# KiCad board SparkFun_IoT_RedBoard-RP2350_panelized.kicad_pcb (continued)
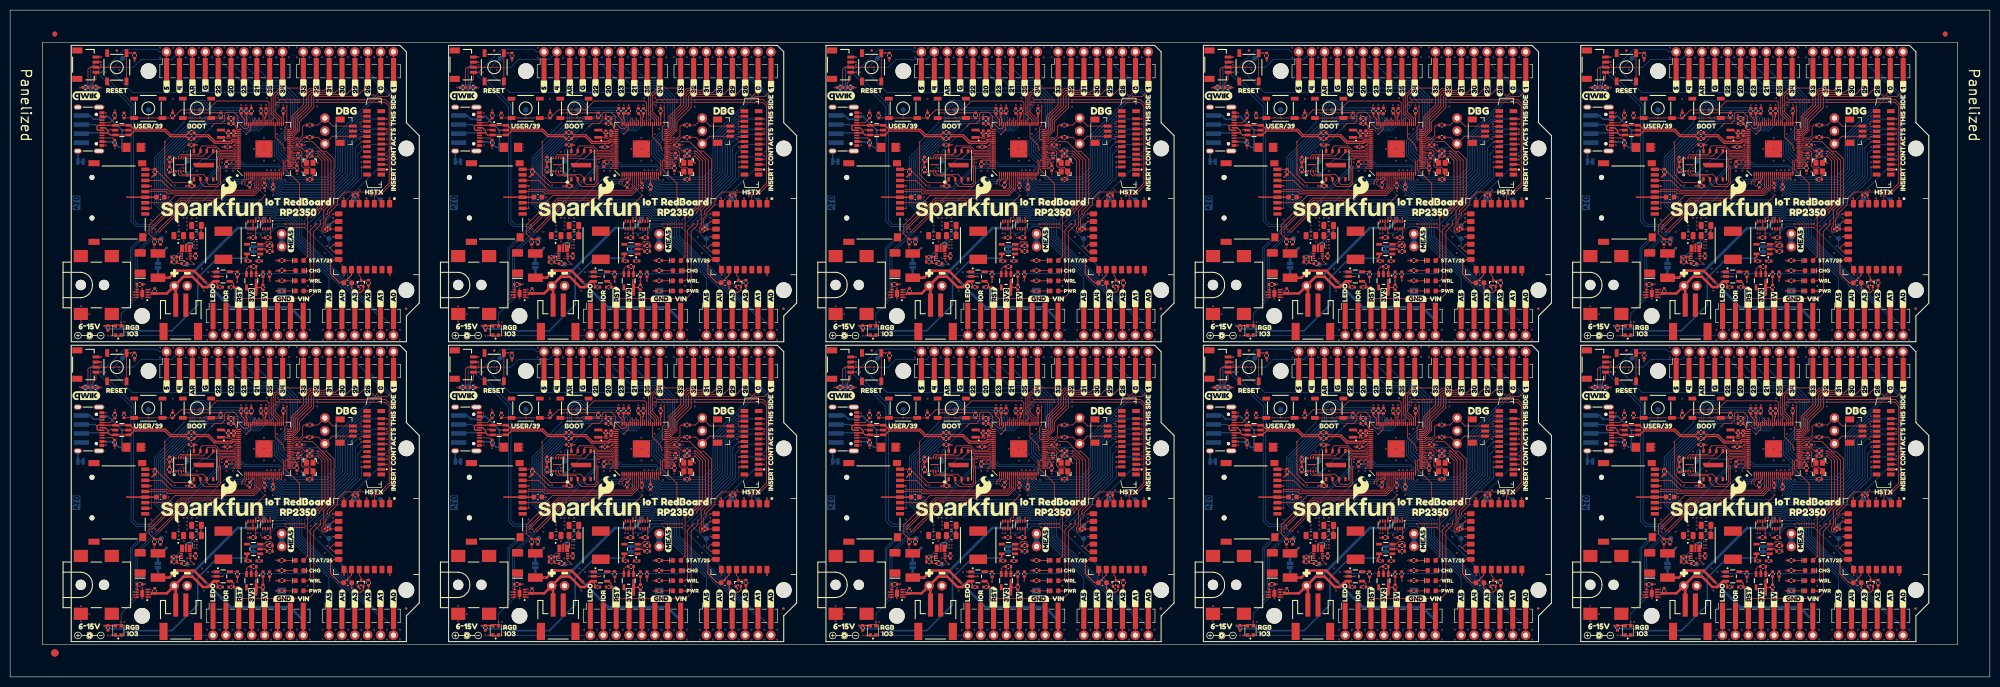
[diagram p0: board, top side]
## Nets (continued)
/A2: H1.A2 H1#2.A2 H1#3.A2 H1#4.A2 H1#5.A2 H1#6.A2 H1#7.A2 H1#8.A2 H1#9.A2 H1#10.A2 J2.4 J2#2.4 J2#3.4 J2#4.4 J2#5.4 J2#6.4 J2#7.4 J2#8.4 J2#9.4 J2#10.4 U1.53 U1#2.53 U1#3.53 U1#4.53 U1#5.53 U1#6.53 U1#7.53 U1#8.53 U1#9.53 U1#10.53
/A3: H1.A3 H1#2.A3 H1#3.A3 H1#4.A3 H1#5.A3 H1#6.A3 H1#7.A3 H1#8.A3 H1#9.A3 H1#10.A3 J2.3 J2#2.3 J2#3.3 J2#4.3 J2#5.3 J2#6.3 J2#7.3 J2#8.3 J2#9.3 J2#10.3 U1.54 U1#2.54 U1#3.54 U1#4.54 U1#5.54 U1#6.54 U1#7.54 U1#8.54 U1#9.54 U1#10.54
/A4: H1.A4 H1#2.A4 H1#3.A4 H1#4.A4 H1#5.A4 H1#6.A4 H1#7.A4 H1#8.A4 H1#9.A4 H1#10.A4 J2.2 J2#2.2 J2#3.2 J2#4.2 J2#5.2 J2#6.2 J2#7.2 J2#8.2 J2#9.2 J2#10.2 U1.55 U1#2.55 U1#3.55 U1#4.55 U1#5.55 U1#6.55 U1#7.55 U1#8.55 U1#9.55 U1#10.55
/A5: H1.A5 H1#2.A5 H1#3.A5 H1#4.A5 H1#5.A5 H1#6.A5 H1#7.A5 H1#8.A5 H1#9.A5 H1#10.A5 J2.1 J2#2.1 J2#3.1 J2#4.1 J2#5.1 J2#6.1 J2#7.1 J2#8.1 J2#9.1 J2#10.1 U1.56 U1#2.56 U1#3.56 U1#4.56 U1#5.56 U1#6.56 U1#7.56 U1#8.56 U1#9.56 U1#10.56
/Core/BATT_PWR: Q1.1 Q1#2.1 Q1#3.1 Q1#4.1 Q1#5.1 Q1#6.1 Q1#7.1 Q1#8.1 Q1#9.1 Q1#10.1 R21.1 R21#2.1 R21#3.1 R21#4.1 R21#5.1 R21#6.1 R21#7.1 R21#8.1 R21#9.1 R21#10.1 U1.28 U1#2.28 U1#3.28 U1#4.28 U1#5.28 U1#6.28 U1#7.28 U1#8.28 U1#9.28 U1#10.28 U7.8 U7#2.8 U7#3.8 U7#4.8 U7#5.8 U7#6.8 U7#7.8 U7#8.8 U7#9.8 U7#10.8
/Core/FLASH_~{CS}: R9.1 R9#2.1 R9#3.1 R9#4.1 R9#5.1 R9#6.1 R9#7.1 R9#8.1 R9#9.1 R9#10.1 R16.1 R16#2.1 R16#3.1 R16#4.1 R16#5.1 R16#6.1 R16#7.1 R16#8.1 R16#9.1 R16#10.1 TP6.1 TP6#2.1 TP6#3.1 TP6#4.1 TP6#5.1 TP6#6.1 TP6#7.1 TP6#8.1 TP6#9.1 TP6#10.1 U1.75 U1#2.75 U1#3.75 U1#4.75 U1#5.75 U1#6.75 U1#7.75 U1#8.75 U1#9.75 U1#10.75 U3.1 U3#2.1 U3#3.1 U3#4.1 U3#5.1 U3#6.1 U3#7.1 U3#8.1 U3#9.1 U3#10.1
/Core/IO8_POCI: J14.7 J14#2.7 J14#3.7 J14#4.7 J14#5.7 J14#6.7 J14#7.7 J14#8.7 J14#9.7 J14#10.7 U1.6 U1#2.6 U1#3.6 U1#4.6 U1#5.6 U1#6.6 U1#7.6 U1#8.6 U1#9.6 U1#10.6
/Core/IO9_~{CS}: J14.2 J14#2.2 J14#3.2 J14#4.2 J14#5.2 J14#6.2 J14#7.2 J14#8.2 J14#9.2 J14#10.2 U1.7 U1#2.7 U1#3.7 U1#4.7 U1#5.7 U1#6.7 U1#7.7 U1#8.7 U1#9.7 U1#10.7
/Core/IO10_SCK: J14.5 J14#2.5 J14#3.5 J14#4.5 J14#5.5 J14#6.5 J14#7.5 J14#8.5 J14#9.5 J14#10.5 U1.8 U1#2.8 U1#3.8 U1#4.8 U1#5.8 U1#6.8 U1#7.8 U1#8.8 U1#9.8 U1#10.8
/Core/IO11_PICO: J14.3 J14#2.3 J14#3.3 J14#4.3 J14#5.3 J14#6.3 J14#7.3 J14#8.3 J14#9.3 J14#10.3 U1.9 U1#2.9 U1#3.9 U1#4.9 U1#5.9 U1#6.9 U1#7.9 U1#8.9 U1#9.9 U1#10.9
/Core/IO12_HSTX0: J11.11 J11#2.11 J11#3.11 J11#4.11 J11#5.11 J11#6.11 J11#7.11 J11#8.11 J11#9.11 J11#10.11 U1.11 U1#2.11 U1#3.11 U1#4.11 U1#5.11 U1#6.11 U1#7.11 U1#8.11 U1#9.11 U1#10.11
/Core/IO13_HSTX1: J11.12 J11#2.12 J11#3.12 J11#4.12 J11#5.12 J11#6.12 J11#7.12 J11#8.12 J11#9.12 J11#10.12 U1.12 U1#2.12 U1#3.12 U1#4.12 U1#5.12 U1#6.12 U1#7.12 U1#8.12 U1#9.12 U1#10.12
/Core/IO14_HSTX2: J11.14 J11#2.14 J11#3.14 J11#4.14 J11#5.14 J11#6.14 J11#7.14 J11#8.14 J11#9.14 J11#10.14 U1.13 U1#2.13 U1#3.13 U1#4.13 U1#5.13 U1#6.13 U1#7.13 U1#8.13 U1#9.13 U1#10.13
/Core/IO15_HSTX3: J11.15 J11#2.15 J11#3.15 J11#4.15 J11#5.15 J11#6.15 J11#7.15 J11#8.15 J11#9.15 J11#10.15 U1.14 U1#2.14 U1#3.14 U1#4.14 U1#5.14 U1#6.14 U1#7.14 U1#8.14 U1#9.14 U1#10.14
/Core/IO16_HSTX4: J11.17 J11#2.17 J11#3.17 J11#4.17 J11#5.17 J11#6.17 J11#7.17 J11#8.17 J11#9.17 J11#10.17 U1.16 U1#2.16 U1#3.16 U1#4.16 U1#5.16 U1#6.16 U1#7.16 U1#8.16 U1#9.16 U1#10.16
/Core/IO17_HSTX5: J11.18 J11#2.18 J11#3.18 J11#4.18 J11#5.18 J11#6.18 J11#7.18 J11#8.18 J11#9.18 J11#10.18 U1.17 U1#2.17 U1#3.17 U1#4.17 U1#5.17 U1#6.17 U1#7.17 U1#8.17 U1#9.17 U1#10.17
/Core/IO18_HSTX6: J11.20 J11#2.20 J11#3.20 J11#4.20 J11#5.20 J11#6.20 J11#7.20 J11#8.20 J11#9.20 J11#10.20 U1.18 U1#2.18 U1#3.18 U1#4.18 U1#5.18 U1#6.18 U1#7.18 U1#8.18 U1#9.18 U1#10.18
/Core/IO19_HSTX7: J11.21 J11#2.21 J11#3.21 J11#4.21 J11#5.21 J11#6.21 J11#7.21 J11#8.21 J11#9.21 J11#10.21 U1.19 U1#2.19 U1#3.19 U1#4.19 U1#5.19 U1#6.19 U1#7.19 U1#8.19 U1#9.19 U1#10.19
/Core/PERI_POW: R24.2 R24#2.2 R24#3.2 R24#4.2 R24#5.2 R24#6.2 R24#7.2 R24#8.2 R24#9.2 R24#10.2 R25.2 R25#2.2 R25#3.2 R25#4.2 R25#5.2 R25#6.2 R25#7.2 R25#8.2 R25#9.2 R25#10.2 U1.4 U1#2.4 U1#3.4 U1#4.4 U1#5.4 U1#6.4 U1#7.4 U1#8.4 U1#9.4 U1#10.4 U10.3 U10#2.3 U10#3.3 U10#4.3 U10#5.3 U10#6.3 U10#7.3 U10#8.3 U10#9.3 U10#10.3
/Core/PSRAM_~{CS}: R17.1 R17#2.1 R17#3.1 R17#4.1 R17#5.1 R17#6.1 R17#7.1 R17#8.1 R17#9.1 R17#10.1 TP7.1 TP7#2.1 TP7#3.1 TP7#4.1 TP7#5.1 TP7#6.1 TP7#7.1 TP7#8.1 TP7#9.1 TP7#10.1 U1.58 U1#2.58 U1#3.58 U1#4.58 U1#5.58 U1#6.58 U1#7.58 U1#8.58 U1#9.58 U1#10.58 U4.1 U4#2.1 U4#3.1 U4#4.1 U4#5.1 U4#6.1 U4#7.1 U4#8.1 U4#9.1 U4#10.1
/Core/QSPI_CLK: U1.71 U1#2.71 U1#3.71 U1#4.71 U1#5.71 U1#6.71 U1#7.71 U1#8.71 U1#9.71 U1#10.71 U3.6 U3#2.6 U3#3.6 U3#4.6 U3#5.6 U3#6.6 U3#7.6 U3#8.6 U3#9.6 U3#10.6 U4.6 U4#2.6 U4#3.6 U4#4.6 U4#5.6 U4#6.6 U4#7.6 U4#8.6 U4#9.6 U4#10.6
/Core/QSPI_D0: U1.72 U1#2.72 U1#3.72 U1#4.72 U1#5.72 U1#6.72 U1#7.72 U1#8.72 U1#9.72 U1#10.72 U3.5 U3#2.5 U3#3.5 U3#4.5 U3#5.5 U3#6.5 U3#7.5 U3#8.5 U3#9.5 U3#10.5 U4.5 U4#2.5 U4#3.5 U4#4.5 U4#5.5 U4#6.5 U4#7.5 U4#8.5 U4#9.5 U4#10.5
/Core/QSPI_D1: U1.74 U1#2.74 U1#3.74 U1#4.74 U1#5.74 U1#6.74 U1#7.74 U1#8.74 U1#9.74 U1#10.74 U3.2 U3#2.2 U3#3.2 U3#4.2 U3#5.2 U3#6.2 U3#7.2 U3#8.2 U3#9.2 U3#10.2 U4.2 U4#2.2 U4#3.2 U4#4.2 U4#5.2 U4#6.2 U4#7.2 U4#8.2 U4#9.2 U4#10.2
/Core/QSPI_D2: U1.73 U1#2.73 U1#3.73 U1#4.73 U1#5.73 U1#6.73 U1#7.73 U1#8.73 U1#9.73 U1#10.73 U3.3 U3#2.3 U3#3.3 U3#4.3 U3#5.3 U3#6.3 U3#7.3 U3#8.3 U3#9.3 U3#10.3 U4.3 U4#2.3 U4#3.3 U4#4.3 U4#5.3 U4#6.3 U4#7.3 U4#8.3 U4#9.3 U4#10.3
/Core/QSPI_D3: U1.70 U1#2.70 U1#3.70 U1#4.70 U1#5.70 U1#6.70 U1#7.70 U1#8.70 U1#9.70 U1#10.70 U3.7 U3#2.7 U3#3.7 U3#4.7 U3#5.7 U3#6.7 U3#7.7 U3#8.7 U3#9.7 U3#10.7 U4.7 U4#2.7 U4#3.7 U4#4.7 U4#5.7 U4#6.7 U4#7.7 U4#8.7 U4#9.7 U4#10.7
/Core/RGB_DIN: D4.3 D4#2.3 D4#3.3 D4#4.3 D4#5.3 D4#6.3 D4#7.3 D4#8.3 D4#9.3 D4#10.3 U1.80 U1#2.80 U1#3.80 U1#4.80 U1#5.80 U1#6.80 U1#7.80 U1#8.80 U1#9.80 U1#10.80
/Core/SW.CLK: J10.1 J10#2.1 J10#3.1 J10#4.1 J10#5.1 J10#6.1 J10#7.1 J10#8.1 J10#9.1 J10#10.1 J12.1 J12#2.1 J12#3.1 J12#4.1 J12#5.1 J12#6.1 J12#7.1 J12#8.1 J12#9.1 J12#10.1 R11.1 R11#2.1 R11#3.1 R11#4.1 R11#5.1 R11#6.1 R11#7.1 R11#8.1 R11#9.1 R11#10.1
/Core/SW.DIO: J10.3 J10#2.3 J10#3.3 J10#4.3 J10#5.3 J10#6.3 J10#7.3 J10#8.3 J10#9.3 J10#10.3 J12.3 J12#2.3 J12#3.3 J12#4.3 J12#5.3 J12#6.3 J12#7.3 J12#8.3 J12#9.3 J12#10.3 R12.1 R12#2.1 R12#3.1 R12#4.1 R12#5.1 R12#6.1 R12#7.1 R12#8.1 R12#9.1 R12#10.1
/Core/USB.D+: R3.2 R3#2.2 R3#3.2 R3#4.2 R3#5.2 R3#6.2 R3#7.2 R3#8.2 R3#9.2 R3#10.2 U1.67 U1#2.67 U1#3.67 U1#4.67 U1#5.67 U1#6.67 U1#7.67 U1#8.67 U1#9.67 U1#10.67
/Core/USB.D-: R4.2 R4#2.2 R4#3.2 R4#4.2 R4#5.2 R4#6.2 R4#7.2 R4#8.2 R4#9.2 R4#10.2 U1.66 U1#2.66 U1#3.66 U1#4.66 U1#5.66 U1#6.66 U1#7.66 U1#8.66 U1#9.66 U1#10.66
/Core/WRL_CLK: TP4.1 TP4#2.1 TP4#3.1 TP4#4.1 TP4#5.1 TP4#6.1 TP4#7.1 TP4#8.1 TP4#9.1 TP4#10.1 U1.46 U1#2.46 U1#3.46 U1#4.46 U1#5.46 U1#6.46 U1#7.46 U1#8.46 U1#9.46 U1#10.46 U2.A3 U2#2.A3 U2#3.A3 U2#4.A3 U2#5.A3 U2#6.A3 U2#7.A3 U2#8.A3 U2#9.A3 U2#10.A3
/Core/WRL_DAT: R13.2 R13#2.2 R13#3.2 R13#4.2 R13#5.2 R13#6.2 R13#7.2 R13#8.2 R13#9.2 R13#10.2 R14.2 R14#2.2 R14#3.2 R14#4.2 R14#5.2 R14#6.2 R14#7.2 R14#8.2 R14#9.2 R14#10.2 TP5.1 TP5#2.1 TP5#3.1 TP5#4.1 TP5#5.1 TP5#6.1 TP5#7.1 TP5#8.1 TP5#9.1 TP5#10.1 U1.47 U1#2.47 U1#3.47 U1#4.47 U1#5.47 U1#6.47 U1#7.47 U1#8.47 U1#9.47 U1#10.47 U2.A5 U2#2.A5 U2#3.A5 U2#4.A5 U2#5.A5 U2#6.A5 U2#7.A5 U2#8.A5 U2#9.A5 U2#10.A5
/Core/WRL_IO0: D5.2 D5#2.2 D5#3.2 D5#4.2 D5#5.2 D5#6.2 D5#7.2 D5#8.2 D5#9.2 D5#10.2 U2.B1 U2#2.B1 U2#3.B1 U2#4.B1 U2#5.B1 U2#6.B1 U2#7.B1 U2#8.B1 U2#9.B1 U2#10.B1
/Core/WRL_IO2: Q1.3 Q1#2.3 Q1#3.3 Q1#4.3 Q1#5.3 Q1#6.3 Q1#7.3 Q1#8.3 Q1#9.3 Q1#10.3 R15.2 R15#2.2 R15#3.2 R15#4.2 R15#5.2 R15#6.2 R15#7.2 R15#8.2 R15#9.2 R15#10.2 U2.C3 U2#2.C3 U2#3.C3 U2#4.C3 U2#5.C3 U2#6.C3 U2#7.C3 U2#8.C3 U2#9.C3 U2#10.C3
/Core/WRL_ON: TP2.1 TP2#2.1 TP2#3.1 TP2#4.1 TP2#5.1 TP2#6.1 TP2#7.1 TP2#8.1 TP2#9.1 TP2#10.1 U1.25 U1#2.25 U1#3.25 U1#4.25 U1#5.25 U1#6.25 U1#7.25 U1#8.25 U1#9.25 U1#10.25 U2.B5 U2.B6 U2#2.B5 U2#2.B6 U2#3.B5 U2#3.B6 U2#4.B5 U2#4.B6 U2#5.B5 U2#5.B6 U2#6.B5 U2#6.B6 U2#7.B5 U2#7.B6 U2#8.B5 U2#8.B6 U2#9.B5 U2#9.B6 U2#10.B5 U2#10.B6
/Core/WRL_~{CS}: TP3.1 TP3#2.1 TP3#3.1 TP3#4.1 TP3#5.1 TP3#6.1 TP3#7.1 TP3#8.1 TP3#9.1 TP3#10.1 U1.45 U1#2.45 U1#3.45 U1#4.45 U1#5.45 U1#6.45 U1#7.45 U1#8.45 U1#9.45 U1#10.45 U2.B2 U2#2.B2 U2#3.B2 U2#4.B2 U2#5.B2 U2#6.B2 U2#7.B2 U2#8.B2 U2#9.B2 U2#10.B2
/Core/~{BALRT}: R22.1 R22#2.1 R22#3.1 R22#4.1 R22#5.1 R22#6.1 R22#7.1 R22#8.1 R22#9.1 R22#10.1 U1.3 U1#2.3 U1#3.3 U1#4.3 U1#5.3 U1#6.3 U1#7.3 U1#8.3 U1#9.3 U1#10.3 U8.5 U8#2.5 U8#3.5 U8#4.5 U8#5.5 U8#6.5 U8#7.5 U8#8.5 U8#9.5 U8#10.5
/Core/~{BOOT}: R9.2 R9#2.2 R9#3.2 R9#4.2 R9#5.2 R9#6.2 R9#7.2 R9#8.2 R9#9.2 R9#10.2 SW1.2 SW1#2.2 SW1#3.2 SW1#4.2 SW1#5.2 SW1#6.2 SW1#7.2 SW1#8.2 SW1#9.2 SW1#10.2 TP9.1 TP9#2.1 TP9#3.1 TP9#4.1 TP9#5.1 TP9#6.1 TP9#7.1 TP9#8.1 TP9#9.1 TP9#10.1
/Core/~{RESET}: H1.~{RESET} H1#2.~{RESET} H1#3.~{RESET} H1#4.~{RESET} H1#5.~{RESET} H1#6.~{RESET} H1#7.~{RESET} H1#8.~{RESET} H1#9.~{RESET} H1#10.~{RESET} J1.3 J1#2.3 J1#3.3 J1#4.3 J1#5.3 J1#6.3 J1#7.3 J1#8.3 J1#9.3 J1#10.3 R34.1 R34#2.1 R34#3.1 R34#4.1 R34#5.1 R34#6.1 R34#7.1 R34#8.1 R34#9.1 R34#10.1 SW2.2 SW2#2.2 SW2#3.2 SW2#4.2 SW2#5.2 SW2#6.2 SW2#7.2 SW2#8.2 SW2#9.2 SW2#10.2 TP10.1 TP10#2.1 TP10#3.1 TP10#4.1 TP10#5.1 TP10#6.1 TP10#7.1 TP10#8.1 TP10#9.1 TP10#10.1 U1.35 U1#2.35 U1#3.35 U1#4.35 U1#5.35 U1#6.35 U1#7.35 U1#8.35 U1#9.35 U1#10.35
/Core/~{SD_DET}: J14.9 J14#2.9 J14#3.9 J14#4.9 J14#5.9 J14#6.9 J14#7.9 J14#8.9 J14#9.9 J14#10.9 R33.1 R33#2.1 R33#3.1 R33#4.1 R33#5.1 R33#6.1 R33#7.1 R33#8.1 R33#9.1 R33#10.1 U1.79 U1#2.79 U1#3.79 U1#4.79 U1#5.79 U1#6.79 U1#7.79 U1#8.79 U1#9.79 U1#10.79
/Core/~{STAT}: D6.2 D6#2.2 D6#3.2 D6#4.2 D6#5.2 D6#6.2 D6#7.2 D6#8.2 D6#9.2 D6#10.2 U1.26 U1#2.26 U1#3.26 U1#4.26 U1#5.26 U1#6.26 U1#7.26 U1#8.26 U1#9.26 U1#10.26
/Core/~{USER_BTN}: C36.1 C36#2.1 C36#3.1 C36#4.1 C36#5.1 C36#6.1 C36#7.1 C36#8.1 C36#9.1 C36#10.1 R35.1 R35#2.1 R35#3.1 R35#4.1 R35#5.1 R35#6.1 R35#7.1 R35#8.1 R35#9.1 R35#10.1 SW3.2 SW3#2.2 SW3#3.2 SW3#4.2 SW3#5.2 SW3#6.2 SW3#7.2 SW3#8.2 SW3#9.2 SW3#10.2 TP11.1 TP11#2.1 TP11#3.1 TP11#4.1 TP11#5.1 TP11#6.1 TP11#7.1 TP11#8.1 TP11#9.1 TP11#10.1 U1.48 U1#2.48 U1#3.48 U1#4.48 U1#5.48 U1#6.48 U1#7.48 U1#8.48 U1#9.48 U1#10.48
/IO0_TXD: H1.D1 H1#2.D1 H1#3.D1 H1#4.D1 H1#5.D1 H1#6.D1 H1#7.D1 H1#8.D1 H1#9.D1 H1#10.D1 J9.7 J9#2.7 J9#3.7 J9#4.7 J9#5.7 J9#6.7 J9#7.7 J9#8.7 J9#9.7 J9#10.7 U1.77 U1#2.77 U1#3.77 U1#4.77 U1#5.77 U1#6.77 U1#7.77 U1#8.77 U1#9.77 U1#10.77
/IO1_RXD: H1.D0 H1#2.D0 H1#3.D0 H1#4.D0 H1#5.D0 H1#6.D0 H1#7.D0 H1#8.D0 H1#9.D0 H1#10.D0 J9.8 J9#2.8 J9#3.8 J9#4.8 J9#5.8 J9#6.8 J9#7.8 J9#8.8 J9#9.8 J9#10.8 U1.78 U1#2.78 U1#3.78 U1#4.78 U1#5.78 U1#6.78 U1#7.78 U1#8.78 U1#9.78 U1#10.78
/IO4_SDA: H1.D18 H1#2.D18 H1#3.D18 H1#4.D18 H1#5.D18 H1#6.D18 H1#7.D18 H1#8.D18 H1#9.D18 H1#10.D18 J8.2 J8#2.2 J8#3.2 J8#4.2 J8#5.2 J8#6.2 J8#7.2 J8#8.2 J8#9.2 J8#10.2 J11.2 J11#2.2 J11#3.2 J11#4.2 J11#5.2 J11#6.2 J11#7.2 J11#8.2 J11#9.2 J11#10.2 J13.3 J13#2.3 J13#3.3 J13#4.3 J13#5.3 J13#6.3 J13#7.3 J13#8.3 J13#9.3 J13#10.3 R6.1 R6#2.1 R6#3.1 R6#4.1 R6#5.1 R6#6.1 R6#7.1 R6#8.1 R6#9.1 R6#10.1 U1.1 U1#2.1 U1#3.1 U1#4.1 U1#5.1 U1#6.1 U1#7.1 U1#8.1 U1#9.1 U1#10.1 U8.8 U8#2.8 U8#3.8 U8#4.8 U8#5.8 U8#6.8 U8#7.8 U8#8.8 U8#9.8 U8#10.8
/IO5_SCL: H1.D19 H1#2.D19 H1#3.D19 H1#4.D19 H1#5.D19 H1#6.D19 H1#7.D19 H1#8.D19 H1#9.D19 H1#10.D19 J8.1 J8#2.1 J8#3.1 J8#4.1 J8#5.1 J8#6.1 J8#7.1 J8#8.1 J8#9.1 J8#10.1 J11.3 J11#2.3 J11#3.3 J11#4.3 J11#5.3 J11#6.3 J11#7.3 J11#8.3 J11#9.3 J11#10.3 J13.4 J13#2.4 J13#3.4 J13#4.4 J13#5.4 J13#6.4 J13#7.4 J13#8.4 J13#9.4 J13#10.4 R5.1 R5#2.1 R5#3.1 R5#4.1 R5#5.1 R5#6.1 R5#7.1 R5#8.1 R5#9.1 R5#10.1 U1.2 U1#2.2 U1#3.2 U1#4.2 U1#5.2 U1#6.2 U1#7.2 U1#8.2 U1#9.2 U1#10.2 U8.7 U8#2.7 U8#3.7 U8#4.7 U8#5.7 U8#6.7 U8#7.7 U8#8.7 U8#9.7 U8#10.7
/IO20_POCI: H1.D12 H1#2.D12 H1#3.D12 H1#4.D12 H1#5.D12 H1#6.D12 H1#7.D12 H1#8.D12 H1#9.D12 H1#10.D12 J8.6 J8#2.6 J8#3.6 J8#4.6 J8#5.6 J8#6.6 J8#7.6 J8#8.6 J8#9.6 J8#10.6 U1.20 U1#2.20 U1#3.20 U1#4.20 U1#5.20 U1#6.20 U1#7.20 U1#8.20 U1#9.20 U1#10.20
/IO21_~{CS}: H1.D10 H1#2.D10 H1#3.D10 H1#4.D10 H1#5.D10 H1#6.D10 H1#7.D10 H1#8.D10 H1#9.D10 H1#10.D10 J8.8 J8#2.8 J8#3.8 J8#4.8 J8#5.8 J8#6.8 J8#7.8 J8#8.8 J8#9.8 J8#10.8 U1.21 U1#2.21 U1#3.21 U1#4.21 U1#5.21 U1#6.21 U1#7.21 U1#8.21 U1#9.21 U1#10.21
/IO22_SCK: H1.D13 H1#2.D13 H1#3.D13 H1#4.D13 H1#5.D13 H1#6.D13 H1#7.D13 H1#8.D13 H1#9.D13 H1#10.D13 J8.5 J8#2.5 J8#3.5 J8#4.5 J8#5.5 J8#6.5 J8#7.5 J8#8.5 J8#9.5 J8#10.5 U1.22 U1#2.22 U1#3.22 U1#4.22 U1#5.22 U1#6.22 U1#7.22 U1#8.22 U1#9.22 U1#10.22
/IO23_PICO: H1.D11 H1#2.D11 H1#3.D11 H1#4.D11 H1#5.D11 H1#6.D11 H1#7.D11 H1#8.D11 H1#9.D11 H1#10.D11 J8.7 J8#2.7 J8#3.7 J8#4.7 J8#5.7 J8#6.7 J8#7.7 J8#8.7 J8#9.7 J8#10.7 U1.23 U1#2.23 U1#3.23 U1#4.23 U1#5.23 U1#6.23 U1#7.23 U1#8.23 U1#9.23 U1#10.23
/IO28: H1.D2 H1#2.D2 H1#3.D2 H1#4.D2 H1#5.D2 H1#6.D2 H1#7.D2 H1#8.D2 H1#9.D2 H1#10.D2 J9.6 J9#2.6 J9#3.6 J9#4.6 J9#5.6 J9#6.6 J9#7.6 J9#8.6 J9#9.6 J9#10.6 J11.5 J11#2.5 J11#3.5 J11#4.5 J11#5.5 J11#6.5 J11#7.5 J11#8.5 J11#9.5 J11#10.5 U1.36 U1#2.36 U1#3.36 U1#4.36 U1#5.36 U1#6.36 U1#7.36 U1#8.36 U1#9.36 U1#10.36
/IO29: H1.D3 H1#2.D3 H1#3.D3 H1#4.D3 H1#5.D3 H1#6.D3 H1#7.D3 H1#8.D3 H1#9.D3 H1#10.D3 J9.5 J9#2.5 J9#3.5 J9#4.5 J9#5.5 J9#6.5 J9#7.5 J9#8.5 J9#9.5 J9#10.5 J11.6 J11#2.6 J11#3.6 J11#4.6 J11#5.6 J11#6.6 J11#7.6 J11#8.6 J11#9.6 J11#10.6 U1.37 U1#2.37 U1#3.37 U1#4.37 U1#5.37 U1#6.37 U1#7.37 U1#8.37 U1#9.37 U1#10.37
/IO30: H1.D4 H1#2.D4 H1#3.D4 H1#4.D4 H1#5.D4 H1#6.D4 H1#7.D4 H1#8.D4 H1#9.D4 H1#10.D4 J9.4 J9#2.4 J9#3.4 J9#4.4 J9#5.4 J9#6.4 J9#7.4 J9#8.4 J9#9.4 J9#10.4 U1.38 U1#2.38 U1#3.38 U1#4.38 U1#5.38 U1#6.38 U1#7.38 U1#8.38 U1#9.38 U1#10.38
/IO31: H1.D5 H1#2.D5 H1#3.D5 H1#4.D5 H1#5.D5 H1#6.D5 H1#7.D5 H1#8.D5 H1#9.D5 H1#10.D5 J9.3 J9#2.3 J9#3.3 J9#4.3 J9#5.3 J9#6.3 J9#7.3 J9#8.3 J9#9.3 J9#10.3 U1.39 U1#2.39 U1#3.39 U1#4.39 U1#5.39 U1#6.39 U1#7.39 U1#8.39 U1#9.39 U1#10.39
/IO32: H1.D6 H1#2.D6 H1#3.D6 H1#4.D6 H1#5.D6 H1#6.D6 H1#7.D6 H1#8.D6 H1#9.D6 H1#10.D6 J9.2 J9#2.2 J9#3.2 J9#4.2 J9#5.2 J9#6.2 J9#7.2 J9#8.2 J9#9.2 J9#10.2 U1.40 U1#2.40 U1#3.40 U1#4.40 U1#5.40 U1#6.40 U1#7.40 U1#8.40 U1#9.40 U1#10.40
/IO33: H1.D7 H1#2.D7 H1#3.D7 H1#4.D7 H1#5.D7 H1#6.D7 H1#7.D7 H1#8.D7 H1#9.D7 H1#10.D7 J9.1 J9#2.1 J9#3.1 J9#4.1 J9#5.1 J9#6.1 J9#7.1 J9#8.1 J9#9.1 J9#10.1 U1.42 U1#2.42 U1#3.42 U1#4.42 U1#5.42 U1#6.42 U1#7.42 U1#8.42 U1#9.42 U1#10.42
/IO34: H1.D8 H1#2.D8 H1#3.D8 H1#4.D8 H1#5.D8 H1#6.D8 H1#7.D8 H1#8.D8 H1#9.D8 H1#10.D8 J8.10 J8#2.10 J8#3.10 J8#4.10 J8#5.10 J8#6.10 J8#7.10 J8#8.10 J8#9.10 J8#10.10 U1.43 U1#2.43 U1#3.43 U1#4.43 U1#5.43 U1#6.43 U1#7.43 U1#8.43 U1#9.43 U1#10.43
/IO35: H1.D9 H1#2.D9 H1#3.D9 H1#4.D9 H1#5.D9 H1#6.D9 H1#7.D9 H1#8.D9 H1#9.D9 H1#10.D9 J8.9 J8#2.9 J8#3.9 J8#4.9 J8#5.9 J8#6.9 J8#7.9 J8#8.9 J8#9.9 J8#10.9 U1.44 U1#2.44 U1#3.44 U1#4.44 U1#5.44 U1#6.44 U1#7.44 U1#8.44 U1#9.44 U1#10.44
/RGB_DOUT: D4.1 D4#2.1 D4#3.1 D4#4.1 D4#5.1 D4#6.1 D4#7.1 D4#8.1 D4#9.1 D4#10.1 H1.NC/LEDO H1#2.NC/LEDO H1#3.NC/LEDO H1#4.NC/LEDO H1#5.NC/LEDO H1#6.NC/LEDO H1#7.NC/LEDO H1#8.NC/LEDO H1#9.NC/LEDO H1#10.NC/LEDO J1.1 J1#2.1 J1#3.1 J1#4.1 J1#5.1 J1#6.1 J1#7.1 J1#8.1 J1#9.1 J1#10.1
/USBC+: D2.3 D2.4 D2#2.3 D2#2.4 D2#3.3 D2#3.4 D2#4.3 D2#4.4 D2#5.3 D2#5.4 D2#6.3 D2#6.4 D2#7.3 D2#7.4 D2#8.3 D2#8.4 D2#9.3 D2#9.4 D2#10.3 D2#10.4 J4.A6 J4.B6 J4#2.A6 J4#2.B6 J4#3.A6 J4#3.B6 J4#4.A6 J4#4.B6 J4#5.A6 J4#5.B6 J4#6.A6 J4#6.B6 J4#7.A6 J4#7.B6 J4#8.A6 J4#8.B6 J4#9.A6 J4#9.B6 J4#10.A6 J4#10.B6 J5.3 J5#2.3 J5#3.3 J5#4.3 J5#5.3 J5#6.3 J5#7.3 J5#8.3 J5#9.3 J5#10.3 R3.1 R3#2.1 R3#3.1 R3#4.1 R3#5.1 R3#6.1 R3#7.1 R3#8.1 R3#9.1 R3#10.1
/USBC-: D2.1 D2.6 D2#2.1 D2#2.6 D2#3.1 D2#3.6 D2#4.1 D2#4.6 D2#5.1 D2#5.6 D2#6.1 D2#6.6 D2#7.1 D2#7.6 D2#8.1 D2#8.6 D2#9.1 D2#9.6 D2#10.1 D2#10.6 J4.A7 J4.B7 J4#2.A7 J4#2.B7 J4#3.A7 J4#3.B7 J4#4.A7 J4#4.B7 J4#5.A7 J4#5.B7 J4#6.A7 J4#6.B7 J4#7.A7 J4#7.B7 J4#8.A7 J4#8.B7 J4#9.A7 J4#9.B7 J4#10.A7 J4#10.B7 J5.2 J5#2.2 J5#3.2 J5#4.2 J5#5.2 J5#6.2 J5#7.2 J5#8.2 J5#9.2 J5#10.2 R4.1 R4#2.1 R4#3.1 R4#4.1 R4#5.1 R4#6.1 R4#7.1 R4#8.1 R4#9.1 R4#10.1
VRAW: C21.1 C21#2.1 C21#3.1 C21#4.1 C21#5.1 C21#6.1 C21#7.1 C21#8.1 C21#9.1 C21#10.1 F1.2 F1#2.2 F1#3.2 F1#4.2 F1#5.2 F1#6.2 F1#7.2 F1#8.2 F1#9.2 F1#10.2 JP2.2 JP2#2.2 JP2#3.2 JP2#4.2 JP2#5.2 JP2#6.2 JP2#7.2 JP2#8.2 JP2#9.2 JP2#10.2 R28.2 R28#2.2 R28#3.2 R28#4.2 R28#5.2 R28#6.2 R28#7.2 R28#8.2 R28#9.2 R28#10.2 U5.1 U5.2 U5#2.1 U5#2.2 U5#3.1 U5#3.2 U5#4.1 U5#4.2 U5#5.1 U5#5.2 U5#6.1 U5#6.2 U5#7.1 U5#7.2 U5#8.1 U5#8.2 U5#9.1 U5#9.2 U5#10.1 U5#10.2
VUSB: F2.2 F2#2.2 F2#3.2 F2#4.2 F2#5.2 F2#6.2 F2#7.2 F2#8.2 F2#9.2 F2#10.2 U6.6 U6#2.6 U6#3.6 U6#4.6 U6#5.6 U6#6.6 U6#7.6 U6#8.6 U6#9.6 U6#10.6
Net-(C9-Pad1): C9.1 C9#2.1 C9#3.1 C9#4.1 C9#5.1 C9#6.1 C9#7.1 C9#8.1 C9#9.1 C9#10.1 R10.1 R10#2.1 R10#3.1 R10#4.1 R10#5.1 R10#6.1 R10#7.1 R10#8.1 R10#9.1 R10#10.1 Y1.3 Y1#2.3 Y1#3.3 Y1#4.3 Y1#5.3 Y1#6.3 Y1#7.3 Y1#8.3 Y1#9.3 Y1#10.3
Net-(D1-PadA): D1.A D1#2.A D1#3.A D1#4.A D1#5.A D1#6.A D1#7.A D1#8.A D1#9.A D1#10.A J3.PWR J3#2.PWR J3#3.PWR J3#4.PWR J3#5.PWR J3#6.PWR J3#7.PWR J3#8.PWR J3#9.PWR J3#10.PWR
Net-(D2-VCC): D2.5 D2#2.5 D2#3.5 D2#4.5 D2#5.5 D2#6.5 D2#7.5 D2#8.5 D2#9.5 D2#10.5 F2.1 F2#2.1 F2#3.1 F2#4.1 F2#5.1 F2#6.1 F2#7.1 F2#8.1 F2#9.1 F2#10.1 J4.VBUS J4#2.VBUS J4#3.VBUS J4#4.VBUS J4#5.VBUS J4#6.VBUS J4#7.VBUS J4#8.VBUS J4#9.VBUS J4#10.VBUS J5.1 J5#2.1 J5#3.1 J5#4.1 J5#5.1 J5#6.1 J5#7.1 J5#8.1 J5#9.1 J5#10.1
Net-(D3-A): D3.2 D3#2.2 D3#3.2 D3#4.2 D3#5.2 D3#6.2 D3#7.2 D3#8.2 D3#9.2 D3#10.2 R23.1 R23#2.1 R23#3.1 R23#4.1 R23#5.1 R23#6.1 R23#7.1 R23#8.1 R23#9.1 R23#10.1
Net-(D3-K): D3.1 D3#2.1 D3#3.1 D3#4.1 D3#5.1 D3#6.1 D3#7.1 D3#8.1 D3#9.1 D3#10.1 U9.1 U9#2.1 U9#3.1 U9#4.1 U9#5.1 U9#6.1 U9#7.1 U9#8.1 U9#9.1 U9#10.1
Net-(D5-K): D5.1 D5#2.1 D5#3.1 D5#4.1 D5#5.1 D5#6.1 D5#7.1 D5#8.1 D5#9.1 D5#10.1 R30.2 R30#2.2 R30#3.2 R30#4.2 R30#5.2 R30#6.2 R30#7.2 R30#8.2 R30#9.2 R30#10.2
Net-(D6-K): D6.1 D6#2.1 D6#3.1 D6#4.1 D6#5.1 D6#6.1 D6#7.1 D6#8.1 D6#9.1 D6#10.1 R31.2 R31#2.2 R31#3.2 R31#4.2 R31#5.2 R31#6.2 R31#7.2 R31#8.2 R31#9.2 R31#10.2
Net-(D7-K): D7.1 D7#2.1 D7#3.1 D7#4.1 D7#5.1 D7#6.1 D7#7.1 D7#8.1 D7#9.1 D7#10.1 R32.2 R32#2.2 R32#3.2 R32#4.2 R32#5.2 R32#6.2 R32#7.2 R32#8.2 R32#9.2 R32#10.2
Net-(J4-CC1): J4.A5 J4#2.A5 J4#3.A5 J4#4.A5 J4#5.A5 J4#6.A5 J4#7.A5 J4#8.A5 J4#9.A5 J4#10.A5 R2.2 R2#2.2 R2#3.2 R2#4.2 R2#5.2 R2#6.2 R2#7.2 R2#8.2 R2#9.2 R2#10.2
Net-(J4-CC2): J4.B5 J4#2.B5 J4#3.B5 J4#4.B5 J4#5.B5 J4#6.B5 J4#7.B5 J4#8.B5 J4#9.B5 J4#10.B5 R1.2 R1#2.2 R1#3.2 R1#4.2 R1#5.2 R1#6.2 R1#7.2 R1#8.2 R1#9.2 R1#10.2
Net-(J4-SHIELD): J4.S J4#2.S J4#3.S J4#4.S J4#5.S J4#6.S J4#7.S J4#8.S J4#9.S J4#10.S JP1.1 JP1#2.1 JP1#3.1 JP1#4.1 JP1#5.1 JP1#6.1 JP1#7.1 JP1#8.1 JP1#9.1 JP1#10.1
Net-(JP3-A): JP3.1 JP3#2.1 JP3#3.1 JP3#4.1 JP3#5.1 JP3#6.1 JP3#7.1 JP3#8.1 JP3#9.1 JP3#10.1 R6.2 R6#2.2 R6#3.2 R6#4.2 R6#5.2 R6#6.2 R6#7.2 R6#8.2 R6#9.2 R6#10.2
Net-(JP3-C): JP3.3 JP3#2.3 JP3#3.3 JP3#4.3 JP3#5.3 JP3#6.3 JP3#7.3 JP3#8.3 JP3#9.3 JP3#10.3 R5.2 R5#2.2 R5#3.2 R5#4.2 R5#5.2 R5#6.2 R5#7.2 R5#8.2 R5#9.2 R5#10.2
Net-(JP4-A): JP4.1 JP4#2.1 JP4#3.1 JP4#4.1 JP4#5.1 JP4#6.1 JP4#7.1 JP4#8.1 JP4#9.1 JP4#10.1 U7.2 U7.7 U7#2.2 U7#2.7 U7#3.2 U7#3.7 U7#4.2 U7#4.7 U7#5.2 U7#5.7 U7#6.2 U7#6.7 U7#7.2 U7#7.7 U7#8.2 U7#8.7 U7#9.2 U7#9.7 U7#10.2 U7#10.7
Net-(JP5-B): JP5.2 JP5#2.2 JP5#3.2 JP5#4.2 JP5#5.2 JP5#6.2 JP5#7.2 JP5#8.2 JP5#9.2 JP5#10.2 R24.1 R24#2.1 R24#3.1 R24#4.1 R24#5.1 R24#6.1 R24#7.1 R24#8.1 R24#9.1 R24#10.1
Net-(JP6-B): JP6.2 JP6#2.2 JP6#3.2 JP6#4.2 JP6#5.2 JP6#6.2 JP6#7.2 JP6#8.2 JP6#9.2 JP6#10.2 R32.1 R32#2.1 R32#3.1 R32#4.1 R32#5.1 R32#6.1 R32#7.1 R32#8.1 R32#9.1 R32#10.1
Net-(U1-ADC_AVDD): C3.2 C3#2.2 C3#3.2 C3#4.2 C3#5.2 C3#6.2 C3#7.2 C3#8.2 C3#9.2 C3#10.2 R7.1 R7#2.1 R7#3.1 R7#4.1 R7#5.1 R7#6.1 R7#7.1 R7#8.1 R7#9.1 R7#10.1 U1.59 U1#2.59 U1#3.59 U1#4.59 U1#5.59 U1#6.59 U1#7.59 U1#8.59 U1#9.59 U1#10.59
Net-(U1-SWCLK): R11.2 R11#2.2 R11#3.2 R11#4.2 R11#5.2 R11#6.2 R11#7.2 R11#8.2 R11#9.2 R11#10.2 U1.33 U1#2.33 U1#3.33 U1#4.33 U1#5.33 U1#6.33 U1#7.33 U1#8.33 U1#9.33 U1#10.33
Net-(U1-SWDIO): R12.2 R12#2.2 R12#3.2 R12#4.2 R12#5.2 R12#6.2 R12#7.2 R12#8.2 R12#9.2 R12#10.2 U1.34 U1#2.34 U1#3.34 U1#4.34 U1#5.34 U1#6.34 U1#7.34 U1#8.34 U1#9.34 U1#10.34
Net-(U1-VREG_AVDD): C5.2 C5#2.2 C5#3.2 C5#4.2 C5#5.2 C5#6.2 C5#7.2 C5#8.2 C5#9.2 C5#10.2 R8.1 R8#2.1 R8#3.1 R8#4.1 R8#5.1 R8#6.1 R8#7.1 R8#8.1 R8#9.1 R8#10.1 U1.61 U1#2.61 U1#3.61 U1#4.61 U1#5.61 U1#6.61 U1#7.61 U1#8.61 U1#9.61 U1#10.61
Net-(U1-VREG_LX): L1.2 L1#2.2 L1#3.2 L1#4.2 L1#5.2 L1#6.2 L1#7.2 L1#8.2 L1#9.2 L1#10.2 U1.63 U1#2.63 U1#3.63 U1#4.63 U1#5.63 U1#6.63 U1#7.63 U1#8.63 U1#9.63 U1#10.63
Net-(U1-XIN): C7.1 C7#2.1 C7#3.1 C7#4.1 C7#5.1 C7#6.1 C7#7.1 C7#8.1 C7#9.1 C7#10.1 U1.30 U1#2.30 U1#3.30 U1#4.30 U1#5.30 U1#6.30 U1#7.30 U1#8.30 U1#9.30 U1#10.30 Y1.1 Y1#2.1 Y1#3.1 Y1#4.1 Y1#5.1 Y1#6.1 Y1#7.1 Y1#8.1 Y1#9.1 Y1#10.1
Net-(U1-XOUT): R10.2 R10#2.2 R10#3.2 R10#4.2 R10#5.2 R10#6.2 R10#7.2 R10#8.2 R10#9.2 R10#10.2 U1.31 U1#2.31 U1#3.31 U1#4.31 U1#5.31 U1#6.31 U1#7.31 U1#8.31 U1#9.31 U1#10.31
Net-(U2-IRQ): R14.1 R14#2.1 R14#3.1 R14#4.1 R14#5.1 R14#6.1 R14#7.1 R14#8.1 R14#9.1 R14#10.1 U2.B3 U2#2.B3 U2#3.B3 U2#4.B3 U2#5.B3 U2#6.B3 U2#7.B3 U2#8.B3 U2#9.B3 U2#10.B3
Net-(U2-POCI): R13.1 R13#2.1 R13#3.1 R13#4.1 R13#5.1 R13#6.1 R13#7.1 R13#8.1 R13#9.1 R13#10.1 U2.A6 U2#2.A6 U2#3.A6 U2#4.A6 U2#5.A6 U2#6.A6 U2#7.A6 U2#8.A6 U2#9.A6 U2#10.A6
Net-(U2-VDDBAT): L2.2 L2#2.2 L2#3.2 L2#4.2 L2#5.2 L2#6.2 L2#7.2 L2#8.2 L2#9.2 L2#10.2 U2.B7 U2.C2 U2#2.B7 U2#2.C2 U2#3.B7 U2#3.C2 U2#4.B7 U2#4.C2 U2#5.B7 U2#5.C2 U2#6.B7 U2#6.C2 U2#7.B7 U2#7.C2 U2#8.B7 U2#8.C2 U2#9.B7 U2#9.C2 U2#10.B7 U2#10.C2
Net-(U5-BST): C22.1 C22#2.1 C22#3.1 C22#4.1 C22#5.1 C22#6.1 C22#7.1 C22#8.1 C22#9.1 C22#10.1 U5.6 U5#2.6 U5#3.6 U5#4.6 U5#5.6 U5#6.6 U5#7.6 U5#8.6 U5#9.6 U5#10.6
Net-(U5-FB): C23.2 C23#2.2 C23#3.2 C23#4.2 C23#5.2 C23#6.2 C23#7.2 C23#8.2 C23#9.2 C23#10.2 R19.1 R19#2.1 R19#3.1 R19#4.1 R19#5.1 R19#6.1 R19#7.1 R19#8.1 R19#9.1 R19#10.1 R20.2 R20#2.2 R20#3.2 R20#4.2 R20#5.2 R20#6.2 R20#7.2 R20#8.2 R20#9.2 R20#10.2 U5.3 U5#2.3 U5#3.3 U5#4.3 U5#5.3 U5#6.3 U5#7.3 U5#8.3 U5#9.3 U5#10.3
Net-(U5-NC): C22.2 C22#2.2 C22#3.2 C22#4.2 C22#5.2 C22#6.2 C22#7.2 C22#8.2 C22#9.2 C22#10.2 L3.1 L3#2.1 L3#3.1 L3#4.1 L3#5.1 L3#6.1 L3#7.1 L3#8.1 L3#9.1 L3#10.1 U5.7 U5.9 U5#2.7 U5#2.9 U5#3.7 U5#3.9 U5#4.7 U5#4.9 U5#5.7 U5#5.9 U5#6.7 U5#6.9 U5#7.7 U5#7.9 U5#8.7 U5#8.9 U5#9.7 U5#9.9 U5#10.7 U5#10.9
Net-(U5-PG): TP8.1 TP8#2.1 TP8#3.1 TP8#4.1 TP8#5.1 TP8#6.1 TP8#7.1 TP8#8.1 TP8#9.1 TP8#10.1 U5.5 U5#2.5 U5#3.5 U5#4.5 U5#5.5 U5#6.5 U5#7.5 U5#8.5 U5#9.5 U5#10.5
Net-(U9-PROG): R27.2 R27#2.2 R27#3.2 R27#4.2 R27#5.2 R27#6.2 R27#7.2 R27#8.2 R27#9.2 R27#10.2 U9.5 U9#2.5 U9#3.5 U9#4.5 U9#5.5 U9#6.5 U9#7.5 U9#8.5 U9#9.5 U9#10.5
Net-(U11-EN): R26.2 R26#2.2 R26#3.2 R26#4.2 R26#5.2 R26#6.2 R26#7.2 R26#8.2 R26#9.2 R26#10.2 U11.3 U11#2.3 U11#3.3 U11#4.3 U11#5.3 U11#6.3 U11#7.3 U11#8.3 U11#9.3 U11#10.3

Pads without a net: J3 GNDBREAK; J3#2 GNDBREAK; J3#3 GNDBREAK; J3#4 GNDBREAK; J3#5 GNDBREAK; J3#6 GNDBREAK; J3#7 GNDBREAK; J3#8 GNDBREAK; J3#9 GNDBREAK; J3#10 GNDBREAK; J4 A8 B8 NC1 NC2 NC3; J4#2 A8 B8 NC1 NC2 NC3; J4#3 A8 B8 NC1 NC2 NC3; J4#4 A8 B8 NC1 NC2 NC3; J4#5 A8 B8 NC1 NC2 NC3; J4#6 A8 B8 NC1 NC2 NC3; J4#7 A8 B8 NC1 NC2 NC3; J4#8 A8 B8 NC1 NC2 NC3; J4#9 A8 B8 NC1 NC2 NC3; J4#10 A8 B8 NC1 NC2 NC3; J7 NC1 NC2; J7#2 NC1 NC2; J7#3 NC1 NC2; J7#4 NC1 NC2; J7#5 NC1 NC2; J7#6 NC1 NC2; J7#7 NC1 NC2; J7#8 NC1 NC2; J7#9 NC1 NC2; J7#10 NC1 NC2; J11 8 9 NC; J11#2 8 9 NC; J11#3 8 9 NC; J11#4 8 9 NC; J11#5 8 9 NC; J11#6 8 9 NC; J11#7 8 9 NC; J11#8 8 9 NC; J11#9 8 9 NC; J11#10 8 9 NC; J12 NC1 NC2; J12#2 NC1 NC2; J12#3 NC1 NC2; J12#4 NC1 NC2; J12#5 NC1 NC2; J12#6 NC1 NC2; J12#7 NC1 NC2; J12#8 NC1 NC2; J12#9 NC1 NC2; J12#10 NC1 NC2; J13 NC1 NC2; J13#2 NC1 NC2; J13#3 NC1 NC2; J13#4 NC1 NC2; J13#5 NC1 NC2; J13#6 NC1 NC2; J13#7 NC1 NC2; J13#8 NC1 NC2; J13#9 NC1 NC2; J13#10 NC1 NC2; J14 1 8 11 12 13; J14#2 1 8 11 12 13; J14#3 1 8 11 12 13; J14#4 1 8 11 12 13; J14#5 1 8 11 12 13; J14#6 1 8 11 12 13; J14#7 1 8 11 12 13; J14#8 1 8 11 12 13; J14#9 1 8 11 12 13; J14#10 1 8 11 12 13; U2 A2 C4 C5 C6; U2#2 A2 C4 C5 C6; U2#3 A2 C4 C5 C6; U2#4 A2 C4 C5 C6; U2#5 A2 C4 C5 C6; U2#6 A2 C4 C5 C6; U2#7 A2 C4 C5 C6; U2#8 A2 C4 C5 C6; U2#9 A2 C4 C5 C6; U2#10 A2 C4 C5 C6; U10 4; U10#2 4; U10#3 4; U10#4 4; U10#5 4; U10#6 4; U10#7 4; U10#8 4; U10#9 4; U10#10 4; U11 4; U11#2 4; U11#3 4; U11#4 4; U11#5 4; U11#6 4; U11#7 4; U11#8 4; U11#9 4; U11#10 4

## Via types
v1: diameter 0.35, hole 0.2, Top to Bottom, 3920 vias
